# Altium PCB LAY-94611_B.PcbDoc (part 3 of 16) (continued)
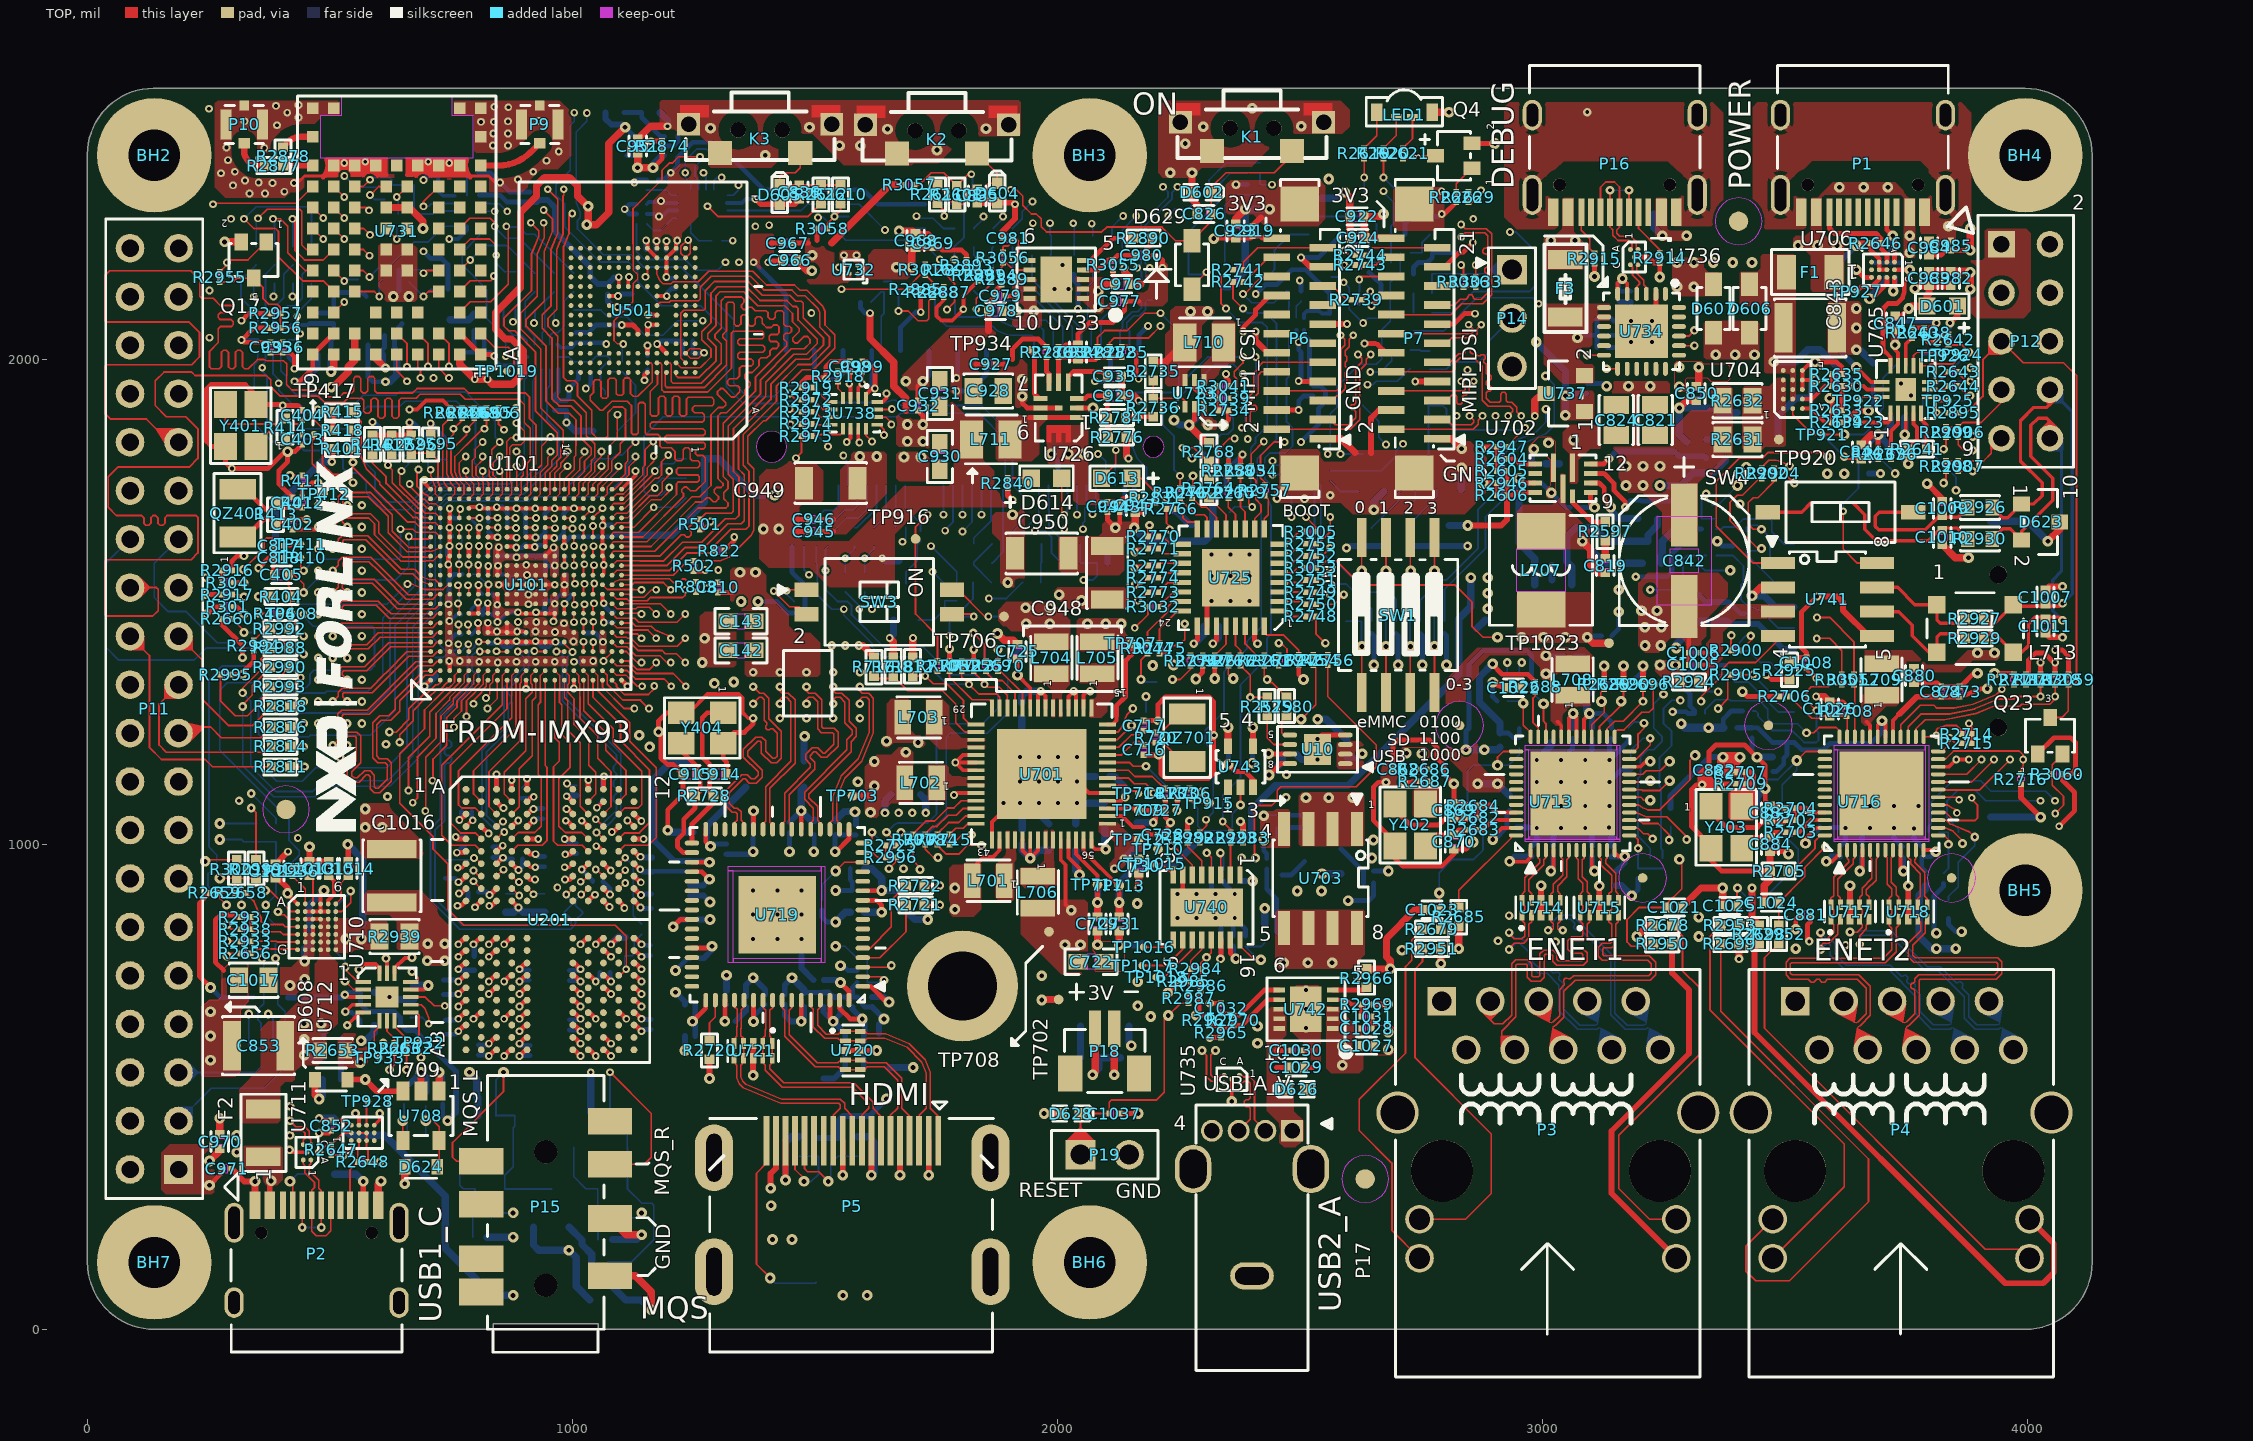
[diagram p0: TOP view]
## Footprints (in the part's own frame and the unit in brackets; to place one, negate y for a bottom-side part, rotate by r counter-clockwise, add the part's x,y. Pads: shape width x height; smd on the part's side, far side on the other; paste and mask are expansions set on the pad) (continued)
  oval 32x8 smd: 5(51.43,-23.62) 6(51.43,-7.87) 7(51.43,7.87) 8(51.43,23.62) 13(-51.43,23.62) 14(-51.43,7.87) 15(-51.43,-7.87) 16(-51.43,-23.62)
  silkscreen extent -53,-75 53,37, body extent -51,-35 51,35, height 24
XTAL2-3P2X1P5-SM [mil] "XTAL2-3P2X1P5-SM"
  rect 43x75 smd: 1(-49.21,0.02) 2(49.21,0.02)
  silkscreen extent -82,-48 82,48, body extent -63,-30 63,30, height 35
XTLOSC4_3P2X2P5MM_SM [mil] "XTLOSC4_3P2X2P5MM_SM"
  rect 55x47 smd: 1(-43.29,-31.5) 2(43.33,-31.5) 3(43.33,31.5) 4(-43.29,31.5)
  silkscreen extent -78,-62 78,62, body extent -63,-49 63,49, height 28

## Part data
BH1: library part MOUNT_HOLE, "M2mm,long 4mm", CAD_APPROVED=Yes, CLASS=IC, Height=5.13MM, MFG_NAME01=SINHOO, MFG_PN01=M2*4mm, Part Reference=BH1, PCB Footprint=mh244-166t_202h, RoHS=Yes
BH2 BH3 BH4 BH5 BH6 BH7: library part MOUNT_HOLE, "no part to order", CAD_APPROVED=Yes, CLASS=IC, Height="2.35 MM", MFG_NAME01="NOT A COMPONENT", MFG_PN01="NOT A COMPONENT", PCB Footprint=HOLE2_7_6, RoHS=Yes
  BH2: Part Reference=BH2
  BH3: Part Reference=BH3
  BH4: Part Reference=BH4
  BH5: Part Reference=BH5
  BH6: Part Reference=BH6
  BH7: Part Reference=BH7
C101 C106 C107 C109 C110 C111 C114 C116 C117 C118 C119 C129 C130 C131 C132 C134 C135 C137 C138 C139 C140 C141 C144 C145 C146 C147 C148 C149 C152 C153 C154 C155 C156 C203 C204 C205 C208 C209 C210 C211 C212 C213 C214 C216 C217 C218 C219 C220 C221 C222 C509 C727 C728 C817 C818: library part CAP_NP, "0201,1uF,10V,+/-20%,X5R", Package Size="0201 (0603 Metric)", Package Type=SMD/SMT, Temp Range="-55¡ãC to 85¡ãC", Tolerance=10%, Voltage=10V, CAD_APPROVED=Yes, CLASS=DISCRETE, FPLIST=CC0201,CC0201_HD,0201_CC,cc_0201_cir, Height=0.35MM, MFG_NAME01=SAMSUNG, MFG_PN01=CL03A105MP3NSNC, PCB Footprint=C0201, RoHS=Yes
  C101: Part Reference=C101
  C106: Part Reference=C106
  C107: Part Reference=C107
  C109: Part Reference=C109
  C110: Part Reference=C110
  C111: Part Reference=C111
  C114: Part Reference=C114
  C116: Part Reference=C116
  C117: Part Reference=C117
  C118: Part Reference=C118
  C119: Part Reference=C119
  C129: Part Reference=C129
  C130: Part Reference=C130
  C131: Part Reference=C131
  C132: Part Reference=C132
  C134: Part Reference=C134
  C135: Part Reference=C135
  C137: Part Reference=C137
  C138: Part Reference=C138
  C139: Part Reference=C139
  C140: Part Reference=C140
  C141: Part Reference=C141
  C144: Part Reference=C144
  C145: Part Reference=C145
  C146: Part Reference=C146
  C147: Part Reference=C147
  C148: Part Reference=C148
  C149: Part Reference=C149
  C152: Part Reference=C152
  C153: Part Reference=C153
  C154: Part Reference=C154
  C155: Part Reference=C155
  C156: Part Reference=C156
  C203: Part Reference=C203
  C204: Part Reference=C204
  C205: Part Reference=C205
  C208: Part Reference=C208
  C209: Part Reference=C209
  C210: Part Reference=C210
  C211: Part Reference=C211
  C212: Part Reference=C212
  C213: Part Reference=C213
  C214: Part Reference=C214
  C216: Part Reference=C216
  C217: Part Reference=C217
  C218: Part Reference=C218
  C219: Part Reference=C219
  C220: Part Reference=C220
  C221: Part Reference=C221
  C222: Part Reference=C222
  C509: Part Reference=C509
  C727: Part Reference=C727
  C728: Part Reference=C728
  C817: Part Reference=C817
  C818: Part Reference=C818
C102: library part CAP_NP, "0201,1uF,10V,+/-20%,X5R", Tolerance=20%, Voltage=10V, CAD_APPROVED=Yes, CLASS=DISCRETE, FPLIST=CC0201,CC0201_HD,0201_CC, Height=0.33MM, MFG_NAME01=SAMSUNG, MFG_PN01=CL03A105MP3NSNC, Part Reference=C102, PCB Footprint=C0201, RoHS=Yes
C108 C124 C136 C151 C201 C202 C206 C207 C215 C504 C857 C866 C871 C880: library part CAP_NP, "0402,10uF,6.3V,+/-20%,X5R", Tolerance=20%, Voltage=6.3V, CAD_APPROVED=Yes, CLASS=DISCRETE, FPLIST=CC0402_25,CC0402_HD,0402_CC, Height="0.65 MM", MFG_NAME01=FENGHUA, MFG_PN01=0402X106M6R3NT, PCB Footprint=C0402, RoHS=Yes
  C108: Part Reference=C108
  C124: Part Reference=C124
  C136: Part Reference=C136
  C151: Part Reference=C151
  C201: Part Reference=C201
  C202: Part Reference=C202
  C206: Part Reference=C206
  C207: Part Reference=C207
  C215: Part Reference=C215
  C504: Part Reference=C504
  C857: Part Reference=C857
  C866: Part Reference=C866
  C871: Part Reference=C871
  C880: Part Reference=C880
C142 C143 C703 C705 C707 C708 C710 C711 C714 C715 C719 C720 C722 C723: library part CAP_NP, "0603,22uF,6.3V,+/-20%,X5R", Package Size=0603, Tolerance=20%, Voltage=10V, CAD_APPROVED=Yes, CLASS=DISCRETE, FPLIST=CC0603_OV,CC0603,0603_cc_tol, Height=1MM, MFG_NAME01=SAMSUNG, MFG_PN01=CL10A226MQ8NRNC, PCB Footprint=C0603, RoHS=Yes, SIGNAL_MODEL=DEFAULT_CAPACITOR_2.2e+07pF_2_1, WVDC=6.3V
  C142: Part Reference=C142
  C143: Part Reference=C143
  C703: Part Reference=C703
  C705: ASSY_OPT=DNP, Part Reference=C705
  C707: Part Reference=C707
  C708: ASSY_OPT=DNP, Part Reference=C708
  C710: Part Reference=C710
  C711: ASSY_OPT=DNP, Part Reference=C711
  C714: Part Reference=C714
  C715: Part Reference=C715
  C719: Part Reference=C719
  C720: ASSY_OPT=DNP, Part Reference=C720
  C722: Part Reference=C722
  C723: ASSY_OPT=DNP, Part Reference=C723
C401 C402 C716 C717 C813: library part CAP_NP, "0201,18pF,50V,+/-5%,NPO", Package Size=0201, Package Type="&#966;180mm Paper taping", Tolerance=5%, Voltage=50V, CAD_APPROVED=Yes, CLASS=DISCRETE, FPLIST=CC0201,CC0201_HD,0201_CC, Height=0.33MM, MFG_NAME01=FENGHUA, MFG_PN01=0201CG180J500NT, PCB Footprint=C0201, RoHS=Yes
  C401: Part Reference=C401
  C402: Part Reference=C402
  C716: Part Reference=C716
  C717: Part Reference=C717
  C813: Part Reference=C813
C403 C404: library part CAP_NP, "0201,18pF,50V,+/-5%,NPO", Tolerance=5%, Voltage=25V, CAD_APPROVED=Yes, CLASS=DISCRETE, FPLIST=CC0201,CC0201_HD,0201_CC, Height=0.33MM, MFG_NAME01=FENGHUA, MFG_PN01=0201CG180J500NT, PCB Footprint=C0201, RoHS=Yes
  C403: Part Reference=C403
  C404: Part Reference=C404
C405 C814: library part CAP_NP, "0402,100nF,50V,+/-10%,X5R", Package Size=0402, Tolerance=10%, Voltage=25V, ASSY_OPT=DNP, CAD_APPROVED=Yes, CLASS=DISCRETE, FPLIST=CC0402_25,CC0402_HD,0402_CC, Height=0.55MM, MFG_NAME01=FENGHUA, MFG_PN01=0402X104K500NT, PCB Footprint=C0402, RoHS=Yes
  C405: Part Reference=C405
  C814: Part Reference=C814
C501 C725 C729 C730 C731: library part CAP_NP, "0402,4.7uF,10V,+/-10%,X5R", Tolerance=10%, Voltage=10V, 3D_Mechanical_Footprint_File=cc0402_tol0p15, CAD_APPROVED=Yes, CLASS=DISCRETE, FPLIST=cc0402_tol0p15,cc0402_tol0p15_ov,0402_cc_nsp, Height=0.65MM, MFG_NAME01=SAMSUNG, MFG_PN01=CL05A475KP5NRNC, PCB Footprint=C0402, RoHS=Yes
  C501: Part Reference=C501
  C725: Part Reference=C725
  C729: Part Reference=C729
  C730: Part Reference=C730
  C731: Part Reference=C731
C502 C503 C505 C506 C507 C508: library part CAP_NP, "0201,220nF,6.3V,+/-20%,X5R", Tolerance=20%, Voltage=10V, CAD_APPROVED=Yes, CLASS=DISCRETE, FPLIST=CC0201,CC0201_HD,0201_CC, Height=0.33MM, MFG_NAME01=SAMSUNG, MFG_PN01=CL03A224MQ3NNNC, PCB Footprint=C0201, RoHS=Yes
  C502: Part Reference=C502
  C503: Part Reference=C503
  C505: Part Reference=C505
  C506: Part Reference=C506
  C507: Part Reference=C507
  C508: Part Reference=C508
C701 C702 C709 C712 C713 C718 C721 C726: library part CAP_NP, "0603,10uF,10V,+/-20%,X5R", Package Size=0603, Package Type=SMT, Temp Range="-55¡ãC to +85¡ãC", Tolerance=10%, Voltage=16V, CAD_APPROVED=Yes, CLASS=DISCRETE, FPLIST=CC0603_OV,CC0603,0603_CC,cc0603_0805_nsp, Height=0.9MM, MFG_NAME01=FENGHUA, MFG_PN01=0603X106M100NT, PCB Footprint=C0603, RoHS=Yes, Temp_Range="-55¡ãC to +85¡ãC"
  C701: Part Reference=C701
  C702: Part Reference=C702
  C709: Part Reference=C709
  C712: Part Reference=C712
  C713: Part Reference=C713
  C718: Part Reference=C718
  C721: Part Reference=C721
  C726: Part Reference=C726
C704 C706 C724: library part CAP_NP, "0402,1uF,16V,+/-10%,X5R", Tolerance=10%, Voltage=16V, CAD_APPROVED=Yes, CLASS=DISCRETE, FPLIST=CC0402_25,CC0402_HD,0402_CC,capc0402_l, Height="0.55 MM", MFG_NAME01=SAMSUNG, MFG_PN01=CL05A105KO5NNNC, PCB Footprint=C0402, RoHS=Yes
  C704: Part Reference=C704
  C706: Part Reference=C706
  C724: Part Reference=C724
C810: library part CAP_NP, "0201,18pF,50V,+/-5%,NPO", Package Size="0201 (0603 Metric)", Package Type=SMD/SMT, Temp Range="-55¡ãC to 85¡ãC", Tolerance=10%, Voltage=10V, ASSY_OPT=DNP, CAD_APPROVED=Yes, CLASS=DISCRETE, FPLIST=CC0201,CC0201_HD,0201_CC,cc_0201_cir, Height=0.35MM, MFG_NAME01=FENGHUA, MFG_PN01=0201CG180J500NT, Part Reference=C810, PCB Footprint=C0201, RoHS=Yes
C815: library part CAP_NP, "0402,100nF,50V,+/-10%,X5R", Tolerance=10%, Voltage=16V, CAD_APPROVED=Yes, CLASS=DISCRETE, FPLIST=CC0402_25,CC0402_HD,0402_CC,capc0402_l, Height="0.55 MM", MFG_NAME01=FENGHUA, MFG_PN01=0402X104K500NT, Part Reference=C815, PCB Footprint=C0402, RoHS=Yes
C819: library part "CAP NP", "0402,220nF,25V,+/-10%,X5R", C_Voltage=6.3V, Dielectric=X5R, Manufacturer=TDK, Manufacturer PN=C1005X5R1E224K050BC, Tolerance=10%, Voltage=25V, Created by=JJJ, MFG_NAME01=SAMSUNG, MFG_PN01=CL05A224KA5NNNC, Number=37, Part Reference=C819, Part Type=C0402, PCB Footprint=C0402, Priority=A, RK PN=C1005X5R1E224K050BC
C820 C821 C823 C824: library part "CAP NP", "0805,10uF,50V,+/-10%,X5R", C_Voltage=6.3V, Dielectric=X5R, Manufacturer=TDK, Manufacturer PN=C2012X5R1A226K125AB, Tolerance=10%, Voltage=50V, Created by=JJJ, MFG_NAME01=SAMSUNG, MFG_PN01=CL21A106KBYQNNE, Part Type=C0805, PCB Footprint=C0805, Priority=A, RK PN=C2012X5R1A226K125AB
  C820: Part Reference=C820
  C821: Part Reference=C821
  C823: Part Reference=C823
  C824: Part Reference=C824
C822: library part "CAP NP", "0402,100nF,50V,+/-10%,X5R", C_Voltage=6.3V, Manufacturer PN=DNPC0402, ASSY_OPT=DNP, Created by=JJJ, MFG_NAME01=FENGHUA, MFG_PN01=0402X104K500NT, Number=37, Part Reference=C822, Part Type=DNP, PCB Footprint=C0402, Priority=A, RK PN=DNPC0402
C825: library part "CAP NP", "0402,100nF,50V,+/-10%,X5R", C_Voltage=6.3V, Dielectric=X5R, Manufacturer=TDK, Manufacturer PN=C1005X5R1A104K050BA, Tolerance=10%, Voltage=50V, Created by=JJJ, MFG_NAME01=FENGHUA, MFG_PN01=0402X104K500NT, Number=37, Part Reference=C825, Part Type=C0402, PCB Footprint=C0402, Priority=A, RK PN=C1005X5R1A104K050BA
C826 C835 C836: library part "CAP NP", "0402,100nF,50V,+/-10%,X5R", C_Voltage=6.3V, Dielectric=X5R, Manufacturer=TDK, Manufacturer PN=C1005X5R1A104K050BA, Tolerance=10%, Voltage=10V, Created by=JJJ, MFG_NAME01=FENGHUA, MFG_PN01=0402X104K500NT, Number=37, Part Type=C0402, PCB Footprint=C0402, Priority=A, RK PN=C1005X5R1A104K050BA
  C826: Part Reference=C826
  C835: Part Reference=C835
  C836: Part Reference=C836
C827 C828 C829 C830 C837 C839 C840 C954 C955 C960 C961: library part "CAP NP", "0603,22uF,6.3V,+/-20%,X5R", C_Voltage=6.3V, Dielectric=X5R, Manufacturer=TDK, Manufacturer PN=C2012X5R1A226K125AB, Tolerance=10%, Voltage=10V, Created by=JJJ, MFG_NAME01=SAMSUNG, MFG_PN01=CL10A226MQ8NRNC, Part Type=C0805, PCB Footprint=C0603, Priority=A, RK PN=C2012X5R1A226K125AB
  C827: Part Reference=C827
  C828: Part Reference=C828
  C829: Part Reference=C829
  C830: Part Reference=C830
  C837: Part Reference=C837
  C839: Part Reference=C839
  C840: Part Reference=C840
  C954: Part Reference=C954
  C955: Part Reference=C955
  C960: Part Reference=C960
  C961: Part Reference=C961
C831 C1019: library part "CAP NP", "0201,100nF,25V,+/-10%,X5R", C_Voltage=6.3V, Dielectric=X5R, Manufacturer=TDK, Manufacturer PN=C1005X5R1A104K050BA, Tolerance=10%, Voltage=50V, Created by=JJJ, MFG_NAME01=FENGHUA, MFG_PN01=0201X104K250NT, Number=37, Part Type=C0402, PCB Footprint=C0201, Priority=A, RK PN=C1005X5R1A104K050BA
  C831: Part Reference=C831
  C1019: Part Reference=C1019
C832: library part "CAP NP", "0402,100nF,50V,+/-10%,X5R", C_Voltage=6.3V, Dielectric=X5R, Manufacturer=TDK, Manufacturer PN=C1005X5R1E104K050BC, Tolerance=10%, Voltage=25V, ASSY_OPT=DNP, Created by=JJJ, MFG_NAME01=FENGHUA, MFG_PN01=0402X104K500NT, Number=37, Option=DNP, Part Reference=C832, Part Type=C0402, PCB Footprint=C0402, Priority=A, RK PN=C1005X5R1E104K050BC
C833: library part "CAP NP", "0201,100nF,25V,+/-10%,X5R", C_Voltage=6.3V, Dielectric=X5R, Manufacturer=TDK, Manufacturer PN=C1005X5R1A104K050BA, Tolerance=10%, Voltage=10V, Created by=JJJ, MFG_NAME01=FENGHUA, MFG_PN01=0201X104K250NT, Number=37, Part Reference=C833, Part Type=C0402, PCB Footprint=C0201, Priority=A, RK PN=C1005X5R1A104K050BA
C834: library part "CAP NP", "0201,1uF,10V,+/-20%,X5R", C_Voltage=6.3V, Dielectric=X5R, Manufacturer=TDK, Manufacturer PN=C1005X5R1A105K050BB, Tolerance=10%, Voltage=10V, Created by=JJJ, MFG_NAME01=SAMSUNG, MFG_PN01=CL03A105MP3NSNC, Number=37, Part Reference=C834, Part Type=C0402, PCB Footprint=C0201, Priority=A, RK PN=C1005X5R1A105K050BB
C838: library part "CAP NP", "0201,1uF,10V,+/-20%,X5R", C_Voltage=6.3V, Dielectric=X5R, Manufacturer=TDK, Manufacturer PN=C1005X5R1A104K050BA, Tolerance=10%, Voltage=10V, Created by=JJJ, MFG_NAME01=SAMSUNG, MFG_PN01=CL03A105MP3NSNC, Number=37, Part Reference=C838, Part Type=C0402, PCB Footprint=C0201, Priority=A, RK PN=C1005X5R1A104K050BA
C842: library part CAP_POL, "100uF,35V,6.3*7.7mm", Tolerance=20%, Voltage=50V, CAD_APPROVED=Yes, CLASS=DISCRETE, Height=10.5MM, MFG_NAME01=ST(Xianke), MFG_PN01=CS1V101M-CRE77, Part Reference=C842, PCB Footprint=cce6P3x7p7, RoHS=Yes
C843 C849 C853: library part CAP_NP, "1210,4.7uF,50V,+/-10%,X7R", Tolerance=10%, Voltage=50V, CAD_APPROVED=Yes, CLASS=DISCRETE, FPLIST=CC1210,1210_CC, Height=2.7MM, MFG_NAME01=MURATA, MFG_PN01=GRM32ER71H475KA88L, PCB Footprint=C1210, RoHS=Yes
  C843: Part Reference=C843
  C849: Part Reference=C849
  C853: Part Reference=C853
C844: library part CAP_NP, "0402,220nF,25V,+/-10%,X5R", Package Size=0402, Temp Range="-55¡ãC to +85¡ãC", Tolerance=10%, Voltage=50V, CAD_APPROVED=Yes, CLASS=DISCRETE, FPLIST=CC0402_25,CC0402_HD,0402_CC, Height=0.55MM, MFG_NAME01=SAMSUNG, MFG_PN01=CL05A224KA5NNNC, Part Reference=C844, PCB Footprint=C0402, RoHS=Yes, Temp_Range="-55¡ãC to +85¡ãC"
C845 C850 C854: library part CAP_NP, "0402,2.2uF,10V,+/-10%,X5R", Package Size=0402, Tolerance=10%, Voltage=10V, CAD_APPROVED=Yes, CLASS=DISCRETE, FPLIST=CC0402_25,CC0402_HD,0402_CC,capc0402_l, Height="0.55 MM", MFG_NAME01=SAMSUNG, MFG_PN01=CL05A225KP5NSNC, PCB Footprint=C0402, RoHS=Yes
  C845: Part Reference=C845
  C850: Part Reference=C850
  C854: Part Reference=C854
C846 C855: library part CAP_NP, "0402,4.7uF,10V,+/-10%,X5R", Temp Range="-55¡ãC to + 85¡ãC", Voltage=16V, CAD_APPROVED=Yes, CLASS=DISCRETE, FPLIST=CC0603_OV,CC0603,cc0603_0805_nsp,0603_CC_NSP, Height=0.95MM, MFG_NAME01=SAMSUNG, MFG_PN01=CL05A475KP5NRNC, PCB Footprint=C0402, RoHS=Yes
  C846: Part Reference=C846
  C855: Part Reference=C855
C847 C851 C856 C925 C934 C1012 C1018: library part CAP_NP, "0402,100nF,50V,+/-10%,X5R", Tolerance=10%, Voltage=35V, CAD_APPROVED=Yes, CLASS=DISCRETE, FPLIST=CC0402_25,CC0402_HD,0402_CC,capc0402_l, Height=0.55MM, MFG_NAME01=FENGHUA, MFG_PN01=0402X104K500NT, PCB Footprint=C0402, RoHS=Yes
  C847: Part Reference=C847
  C851: Part Reference=C851
  C856: Part Reference=C856
  C925: Part Reference=C925
  C934: Part Reference=C934
  C1012: Part Reference=C1012
  C1018: Part Reference=C1018
C848 C852 C926 C932 C943 C944 C945 C946 C967 C971 C973 C977 C985 C1006 C1028: library part CAP_NP, "0201,100nF,25V,+/-10%,X5R", Tolerance=10%, Voltage=25V, CAD_APPROVED=Yes, CLASS=DISCRETE, FPLIST=CC0402_25,CC0402_HD,0402_CC,capc0402_l, Height=0.55MM, MFG_NAME01=FENGHUA, MFG_PN01=0201X104K250NT, PCB Footprint=C0201, RoHS=Yes
  C848: Part Reference=C848
  C852: Part Reference=C852
  C926: ASSY_OPT=DNP, Part Reference=C926
  C932: Part Reference=C932
  C943: Part Reference=C943
  C944: Part Reference=C944
  C945: Part Reference=C945
  C946: Part Reference=C946
  C967: Part Reference=C967
  C971: Part Reference=C971
  C973: Part Reference=C973
  C977: Part Reference=C977
  C985: Part Reference=C985
  C1006: Part Reference=C1006
  C1028: Part Reference=C1028
C858 C860 C862 C863 C867 C872 C874 C876 C877 C878 C879 C881: library part CAP_NP, "0201,100nF,25V,+/-10%,X5R", Tolerance=20%, Voltage=25V, CAD_APPROVED=Yes, CLASS=DISCRETE, FPLIST=CC0402_25,CC0402_HD,0402_CC, Height="0.65 MM", MFG_NAME01=FENGHUA, MFG_PN01=0201X104K250NT, PCB Footprint=C0201, RoHS=Yes
  C858: Part Reference=C858
  C860: Part Reference=C860
  C862: Part Reference=C862
  C863: Part Reference=C863
  C867: Part Reference=C867
  C872: Part Reference=C872
  C874: Part Reference=C874
  C876: Part Reference=C876
  C877: Part Reference=C877
  C878: Part Reference=C878
  C879: Part Reference=C879
  C881: Part Reference=C881
C859 C861 C868 C873 C875 C882 C1045: library part CAP_NP, "0201,1uF,10V,+/-20%,X5R", Package Size=0201, Package Type="7¡± reel", Tolerance=20%, Voltage=10V, CAD_APPROVED=Yes, CLASS=DISCRETE, FPLIST=CC0201,CC0201_HD,0201_CC,0201_CC_012SM_NSP, Height=0.35MM, MFG_NAME01=SAMSUNG, MFG_PN01=CL03A105MP3NSNC, PCB Footprint=C0201, RoHS=Yes
  C859: Part Reference=C859
  C861: Part Reference=C861
  C868: ASSY_OPT=DNP, Part Reference=C868
  C873: Part Reference=C873
  C875: Part Reference=C875
  C882: ASSY_OPT=DNP, Part Reference=C882
  C1045: Part Reference=C1045
C864 C865: library part CAP_NP, "0201,100nF,25V,+/-10%,X5R", Tolerance=20%, Voltage=25, CAD_APPROVED=Yes, CLASS=DISCRETE, FPLIST=CC0402_25,CC0402_HD,0402_CC, Height="0.65 MM", MFG_NAME01=FENGHUA, MFG_PN01=0201X104K250NT, PCB Footprint=C0201, RoHS=Yes
  C864: Part Reference=C864
  C865: Part Reference=C865
C869 C870 C883 C884: library part C0402,22pF, "0402,22pF,50V,+/-5%,NPO", Voltage=50V, MFG_NAME01=FENGHUA, MFG_PN01=0402CG220J500NT, PCB Footprint=C0402, serial number=1110202003
  C869: Part Reference=C869
  C870: Part Reference=C870
  C883: Part Reference=C883
  C884: Part Reference=C884
C885 C887 C889 C891 C896 C898 C901 C903 C908 C959 C965: library part "CAP NP", "0402,10uF,6.3V,+/-20%,X5R", Dielectric=X5R, Manufacturer=FH(·ç»ª), Manufacturer PN=0402X104K6R3NT, Tolerance=¡À10%, Voltage=6.3V, Created by=JJJ, MFG_NAME01=FENGHUA, MFG_PN01=0402X106M6R3NT, Part Type=Ò»°ãÓÃÆ¬×´ÌÕ´ÉµçÈÝ, PCB Footprint=C0402, Priority=A, RK PN=902004347
  C885: Part Reference=C885
  C887: Part Reference=C887
  C889: Part Reference=C889
  C891: Part Reference=C891
  C896: Part Reference=C896
  C898: Part Reference=C898
  C901: Part Reference=C901
  C903: Part Reference=C903
  C908: Part Reference=C908
  C959: Part Reference=C959
  C965: Part Reference=C965
C886 C888 C890 C892 C893 C894 C895 C897 C899 C900 C902 C904 C905 C906 C907 C909 C910 C911: library part "CAP NP", "0201,100nF,25V,+/-10%,X5R", Dielectric=X5R, Manufacturer=FH(·ç»ª), Manufacturer PN=0402X104K6R3NT, Tolerance=¡À10%, Voltage=25V, Created by=JJJ, MFG_NAME01=FENGHUA, MFG_PN01=0201X104K250NT, Part Type=Ò»°ãÓÃÆ¬×´ÌÕ´ÉµçÈÝ, PCB Footprint=C0201, Priority=A, RK PN=902004347
  C886: Part Reference=C886
  C888: Part Reference=C888
  C890: Part Reference=C890
  C892: Part Reference=C892
  C893: Part Reference=C893
  C894: Part Reference=C894
  C895: Part Reference=C895
  C897: Part Reference=C897
  C899: Part Reference=C899
  C900: Part Reference=C900
  C902: Part Reference=C902
  C904: Part Reference=C904
  C905: Part Reference=C905
  C906: Part Reference=C906
  C907: Part Reference=C907
  C909: Part Reference=C909
  C910: Part Reference=C910
  C911: Part Reference=C911
C912: library part "CAP NP", "0402,10uF,6.3V,+/-20%,X5R", Dielectric=X5R, Manufacturer=FH(·ç»ª), Manufacturer PN=0402X104K6R3NT, Tolerance=¡À10%, Voltage=10V, Created by=JJJ, MFG_NAME01=FENGHUA, MFG_PN01=0402X106M6R3NT, Part Reference=C912, Part Type=Ò»°ãÓÃÆ¬×´ÌÕ´ÉµçÈÝ, PCB Footprint=C0402, Priority=A, RK PN=902004347
C913: library part "CAP NP", "0402,1uF,16V,+/-10%,X5R", Dielectric=X5R, Manufacturer=FH(·ç»ª), Manufacturer PN=0402X104K6R3NT, Tolerance=¡À10%, Voltage=16V, Created by=JJJ, MFG_NAME01=SAMSUNG, MFG_PN01=CL05A105KO5NNNC, Part Reference=C913, Part Type=Ò»°ãÓÃÆ¬×´ÌÕ´ÉµçÈÝ, PCB Footprint=C0402, Priority=A, RK PN=902004347
C914 C915: library part "CAP NP", "0402,15pF,50V,+/-5%,NPO", Dielectric=X5R, Manufacturer=FH(·ç»ª), Manufacturer PN=0402X104K6R3NT, Tolerance=¡À10%, Voltage=6.3V, Created by=JJJ, MFG_NAME01=FENGHUA, MFG_PN01=0402B102K500NT, Part Type=Ò»°ãÓÃÆ¬×´ÌÕ´ÉµçÈÝ, PCB Footprint=C0402, Priority=A, RK PN=902004347
  C914: Part Reference=C914
  C915: Part Reference=C915
C916: library part "CAP NP", "0201,1uF,10V,+/-20%,X5R", Dielectric=X5R, Manufacturer=FH(·ç»ª), Manufacturer PN=0402X104K6R3NT, Tolerance=¡À10%, Voltage=10V, Created by=JJJ, MFG_NAME01=SAMSUNG, MFG_PN01=CL03A105MP3NSNC, Part Reference=C916, Part Type=Ò»°ãÓÃÆ¬×´ÌÕ´ÉµçÈÝ, PCB Footprint=C0201, Priority=A, RK PN=902004347
C917 C951 C952: library part "CAP NP", "0402,10uF,6.3V,+/-20%,X5R", C_Voltage=6.3V, Dielectric=X5R, Manufacturer=murata, Manufacturer PN=GRM188R61A106MAAL, Tolerance=¡À20%, Voltage=10V, Created by=JJJ, MFG_NAME01=FENGHUA, MFG_PN01=0402X106M6R3NT, Part Type=Ò»°ãÓÃÆ¬×´ÌÕ´ÉµçÈÝ, PCB Footprint=C0402, Priority=A, RK PN=902003487
  C917: Part Reference=C917
  C951: Part Reference=C951
  C952: Part Reference=C952
C918 C922 C923 C924: library part "CAP NP", "0402,10uF,6.3V,+/-20%,X5R", C_Voltage=6.3V, Dielectric=X5R, Manufacturer=TDK, Manufacturer PN=C2012X5R1A226K125AB, Tolerance=10%, Voltage=10V, Created by=JJJ, MFG_NAME01=FENGHUA, MFG_PN01=0402X106M6R3NT, Part Type=C0805, PCB Footprint=C0402, Priority=A, RK PN=C2012X5R1A226K125AB
  C918: Part Reference=C918
  C922: Part Reference=C922
  C923: Part Reference=C923
  C924: Part Reference=C924
C919 C953 C957 C958 C963 C964: library part "CAP NP", "0201,100nF,25V,+/-10%,X5R", Dielectric=X5R, Manufacturer=FH(·ç»ª), Manufacturer PN=0402X104K6R3NT, Tolerance=¡À10%, Voltage=6.3V, Created by=JJJ, MFG_NAME01=FENGHUA, MFG_PN01=0201X104K250NT, Part Type=Ò»°ãÓÃÆ¬×´ÌÕ´ÉµçÈÝ, PCB Footprint=C0201, Priority=A, RK PN=902004347
  C919: Part Reference=C919
  C953: Part Reference=C953
  C957: Part Reference=C957
  C958: Part Reference=C958
  C963: Part Reference=C963
  C964: Part Reference=C964
C920 C921 C927 C987 C1038: library part CAP_NP, "0201,100nF,25V,+/-10%,X5R", Tolerance=10%, Voltage=35V, CAD_APPROVED=Yes, CLASS=DISCRETE, FPLIST=CC0402_25,CC0402_HD,0402_CC,capc0402_l, Height=0.55MM, MFG_NAME01=FENGHUA, MFG_PN01=0201X104K250NT, PCB Footprint=C0201, RoHS=Yes
  C920: Part Reference=C920
  C921: Part Reference=C921
  C927: Part Reference=C927
  C987: Part Reference=C987
  C1038: Part Reference=C1038
C928: library part CAP_NP, "0805,47uF,10V,+/-20%,X5R", Package Size=1210, Tolerance=20%, Voltage=6.3V, CAD_APPROVED=Yes, CLASS=DISCRETE, FPLIST=CC1210,1210_CC, Height=2.8MM, MFG_NAME01=MURATA, MFG_PN01=GRM21BR61A476ME15L, Part Reference=C928, PCB Footprint=C0805, RoHS=Yes
C929 C933: library part CAP_NP, "0402,1nF,50V,+/-10%,X7R", Tolerance=5%, Voltage=50V, CAD_APPROVED=Yes, CLASS=DISCRETE, FPLIST=CC0402_25,CC0402_HD,0402_CC, Height=0.55MM, MFG_NAME01=FENGHUA, MFG_PN01=0402B102K500NT, PCB Footprint=C0402, RoHS=Yes
  C929: Part Reference=C929
  C933: ASSY_OPT=DNP, Part Reference=C933
C930 C931 C986: library part CAP_NP, "0603,22uF,6.3V,+/-20%,X5R", Tolerance=20%, Voltage=16V, CAD_APPROVED=Yes, CLASS=DISCRETE, FPLIST=CC0805_OV,CC0805,0805_CC, Height=1.45MM, MFG_NAME01=SAMSUNG, MFG_PN01=CL10A226MQ8NRNC, PCB Footprint=C0603, RoHS=Yes
  C930: Part Reference=C930
  C931: Part Reference=C931
  C986: Part Reference=C986
C935 C938 C939 C941 C1005 C1008 C1041 C1043: library part CAP_NP, "0201,1uF,10V,+/-20%,X5R", Tolerance=10%, Voltage=10V, CAD_APPROVED=Yes, CLASS=DISCRETE, FPLIST=CC0402_25,CC0402_HD,0402_CC,capc0402_l, Height="0.55 MM", MFG_NAME01=SAMSUNG, MFG_PN01=CL03A105MP3NSNC, PCB Footprint=C0201, RoHS=Yes
  C935: ASSY_OPT=DNP, Part Reference=C935, SIGNAL_MODEL=DEFAULT_CAPACITOR_1e+06pF_2_1, TOL=10%, Voltage Rating=10V
  C938: ASSY_OPT=DNP, Part Reference=C938, SIGNAL_MODEL=DEFAULT_CAPACITOR_1e+06pF_2_1, TOL=10%, Voltage Rating=10V
  C939: Part Reference=C939, SIGNAL_MODEL=DEFAULT_CAPACITOR_1e+06pF_2_1, TOL=10%, Voltage Rating=10V
  C941: Part Reference=C941, SIGNAL_MODEL=DEFAULT_CAPACITOR_1e+06pF_2_1, TOL=10%, Voltage Rating=10V
  C1005: Part Reference=C1005
  C1008: Part Reference=C1008
  C1041: Part Reference=C1041, SIGNAL_MODEL=DEFAULT_CAPACITOR_1e+06pF_2_1, TOL=10%, Voltage Rating=10V
  C1043: Part Reference=C1043, SIGNAL_MODEL=DEFAULT_CAPACITOR_1e+06pF_2_1, TOL=10%, Voltage Rating=10V
C936 C937: library part CAP_NP, "0201,10nF,25V,+/-10%,X7R", Temp_Range="-55¡ãC - 85¡ãC", Tolerance=10%, Voltage=25V, CAD_APPROVED=Yes, CLASS=DISCRETE, FPLIST=CC0402_25,CC0402_HD,0402_CC,capc0402_l, Height=0.55MM, MFG_NAME01=FENGHUA, MFG_PN01=0201B103K250NT, PCB Footprint=C0201, RoHS=Yes
  C936: Part Reference=C936
  C937: Part Reference=C937
C940 C942: library part CAP_NP, "0201,10nF,25V,+/-10%,X7R", Tolerance=10%, Voltage=25V, CAD_APPROVED=Yes, CLASS=DISCRETE, FPLIST=CC0402_25,CC0402_HD,0402_CC, Height="0.74 MM", MFG_NAME01=FENGHUA, MFG_PN01=0201B103K250NT, PCB Footprint=C0201, RoHS=Yes
  C940: Part Reference=C940
  C942: Part Reference=C942
C947: library part CAP_NP, "0402,10uF,6.3V,+/-20%,X5R", Package Size=0603, Package Type=SMD, Temp_Range="-55¡ãC ~ 85¡ãC", Tolerance=20%, Voltage=10V, CAD_APPROVED=Yes, CLASS=DISCRETE, FPLIST=CC0603_OV,CC0603,0603_CC_NSP, Height=1MM, MFG_NAME01=FENGHUA, MFG_PN01=0402X106M6R3NT, Part Reference=C947, PCB Footprint=C0402, RoHS=Yes